# Allegro board GPS_INTERFACE_BOARDv34_test.brd (continued)
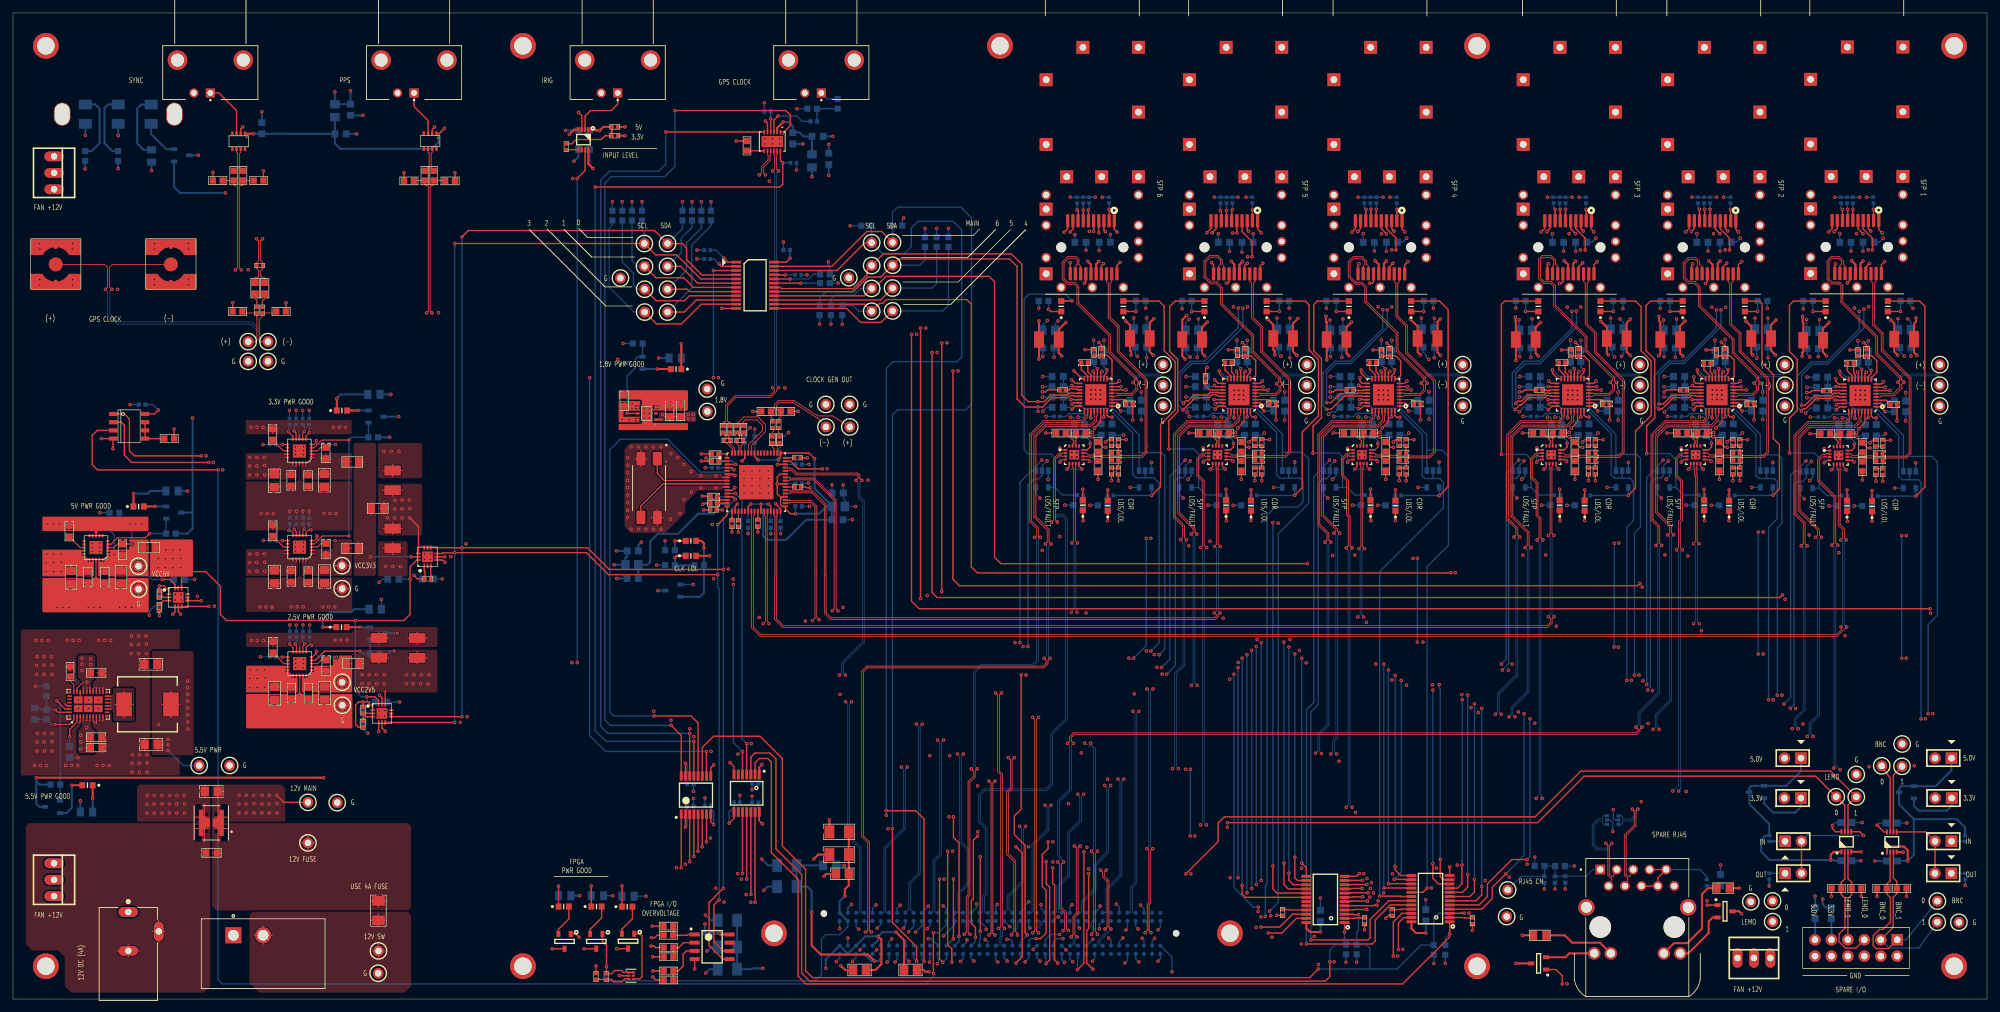
[diagram p0: board, top side]
## Routing (per net, layer and track width the routed paths; a pad name or vN(x,y) marks a point on that pad's centre or on a via; arc(x,y) is an arc through that point) (continued)
VCC2V5: length 112.8
  TOP w0.17: R120.1 v1(285.55,80.21) ; R162.1 v1(241.17,80.31) ; 55.07,52.76 C82.1 ; C82.1 56.52,53.7 ; C82.1 57.96,52.76 ; C82.1 56.52,51.82 ; R214.1 v1(181.56,87.48) ; v1(210.74,85.88) 210.74,85.32 210.31,84.89 210.1,84.89 210.09,84.87 U34.12 ; C81.1 63.86,52.73 ; C81.1 62.41,51.79 ; C81.1 62.41,53.67 ; C81.1 60.96,52.73 ; v1(264.67,85.27) 264.3,85.27 R140.1 ; R183.1 v1(211.96,80.31) ; R141.1 v1(263.47,80.31) ; R119.1 286.37,85.17 v1(286.74,85.17) ; v1(190.86,85.27) 190.49,85.27 R203.1 ; R58.2 53.4,52.75 ; R58.2 53.4,50.99 ; R58.2 54.13,51.87 ; v1(213.16,85.27) 212.79,85.27 R182.1 ; R151.1 v1(255.37,87.48) ; R193.1 v1(203.86,87.48) ; R225.1 v1(167.54,80.31) ; R224.1 168.36,85.27 v1(168.73,85.27) ; v1(242.37,85.27) 242,85.27 R161.1 ; R130.1 v1(277.44,87.38) ; R172.1 v1(233.07,87.48) ; R235.1 v1(159.44,87.48) ; R204.1 v1(189.66,80.31)
  TOP w0.203: U22.12 283.68,84.77 283.69,84.79 283.9,84.79 284.33,85.22 v1(284.33,85.78) ; v1(115.72,27.08) 115.24,27.56 115.24,27.92 115.23,27.92 U17.14 ; U42.12 165.67,84.87 165.68,84.89 165.89,84.89 166.32,85.32 v1(166.32,85.88) ; 57.48,47.62 57.47,47.62 U13.10 ; U30.12 239.3,84.87 239.31,84.89 239.52,84.89 239.95,85.32 v1(239.95,85.88) ; v1(280.91,26.84) 280.91,26.36 281.41,25.86 U50.8 ; U18.2 103.84,27.62 v1(103.84,26.59) ; U38.12 187.79,84.87 187.8,84.89 188.01,84.89 188.44,85.32 v1(188.44,85.88) ; U26.12 261.6,84.87 261.62,84.89 261.82,84.89 262.25,85.32 v1(262.25,85.88) ; v1(287.83,26.87) 288.87,25.83 U51.8
  TOP w0.305: v1(89.58,128.37) 88.84,129.11 U47.8
  BOTTOM w0.17: R116.2 v1(234.96,21.95)
  BOTTOM w0.203: C111.1 115.1,27.7 v1(115.72,27.08) ; C230.1 C231.1 187.62,87.1 188.44,86.27 v1(188.44,85.88) ; C119.1 281.36,27.28 v1(280.91,26.84) ; C207.1 C208.1 209.92,87.1 210.74,86.27 v1(210.74,85.88) ; v1(166.32,85.88) 166.32,86.27 165.5,87.1 C254.1 C253.1 ; v1(284.33,85.78) 284.33,86.17 283.5,86.99 C139.1 C138.1 ; C115.1 288.16,27.2 v1(287.83,26.87) ; C184.1 C185.1 239.13,87.1 239.95,86.27 v1(239.95,85.88) ; v1(247.09,29.29) 247.09,27.94 247.37,27.66 U5.5 ; v1(262.25,85.88) 262.25,86.27 261.43,87.1 C162.1 C161.1 ; C110.2 104.07,26.83 v1(103.84,26.59) ; R82.2 v1(106.84,31.07)
  BOTTOM w0.305: C6.1 89.03,128.92 v1(89.58,128.37) ; Q9.1 24.88,125.48 25.78,124.59 v1(32.82,124.59)
  vias: v1(53.9,50.14) v1(53.9,48.74) v1(54.99,50.11) v1(54.99,48.74) v1(56.11,50.14) v1(56.13,48.74) v1(57.33,50.14) v1(57.33,48.74) v1(60.76,50.14) v1(60.76,48.74) v1(61.8,48.74) v1(61.93,50.14) v1(62.94,48.74) v1(63.07,50.14) v1(64.11,48.72) v1(64.24,50.14)
VCC3V3: length 558.7
  TOP w0.165: C66.1 58.62,73.66 ; C66.1 58.62,71.78 ; C66.1 60.07,72.72 ; C66.1 57.17,72.72 ; 56.53,75.82 R53.2 ; R53.2 57.99,75.82 ; R53.2 57.26,76.7 ; R53.2 57.26,74.94 ; C67.1 60.07,78.64 ; C67.1 58.62,77.7 ; C67.1 57.17,78.64 ; U39.31 v1(190.56,89.97) ; R164.1 v1(244.32,80.11) ; 95.99,89.55 U4.6 ; U4.6 96.47,89.2 ; U4.6 96.47,89.9 ; U39.32 191.06,90.23 191.34,89.94 v1(191.82,89.94) ; C274.1 95.11,91.59 ; C274.1 94.39,92.29 ; C274.1 93.67,91.59 ; 95.99,91.45 U4.4 ; U4.4 96.47,91.1 ; U4.4 96.47,91.8 ; U35.1 214.7,91.65 v1(215.47,90.88) ; U35.2 214.92,92.15 215.29,91.78 v1(215.29,91.74) ; R184.1 v1(216.31,86.45) ; R24.1 122.38,79.15 122.51,79.02 v1(123.11,79.02) ; R122.1 v1(288.7,80.01) ; R142.1 v1(267.82,86.45) ; R205.1 v1(194.01,86.45) ; R185.1 v1(215.11,80.11) ; R163.1 v1(245.52,86.45) ; R121.1 v1(289.9,86.35) ; R143.1 v1(266.62,80.11) ; R226.1 v1(171.89,86.45) ; R206.1 v1(192.81,80.11) ; R227.1 v1(170.69,80.11)
  TOP w0.203: U31.1 243.91,91.65 v1(244.68,90.88) ; v1(98.58,9.47) 99.07,9.47 99.45,9.86 R77.2 ; R76.2 v1(98.78,6.53) ; D38.2 v1(169.04,78.69) ; D18.2 v1(287.05,78.59) ; U27.1 266.21,91.65 v1(266.98,90.88) ; U31.12 241.07,96.46 241.07,96.46 v1(241.07,97.41) ; U39.10 190.56,96.33 191.01,96.78 v1(191.01,97.26) ; U35.12 211.86,96.46 211.86,96.46 v1(211.86,97.41) ; U23.2 288.5,92.04 288.87,91.67 v1(288.87,91.64) ; U43.12 167.43,96.46 167.44,96.46 v1(167.44,97.41) ; v1(207.8,94.87) 208.03,94.64 208.35,94.64 208.36,94.65 U35.18 ; U17.1 115.23,35.68 115.24,35.69 115.24,35.84 v1(115.65,36.25) ; U27.10 264.37,96.33 264.82,96.78 v1(264.82,97.26) ; v1(242.52,97.26) 242.52,96.78 242.07,96.33 U31.10 ; U27.2 266.43,92.15 266.8,91.78 v1(266.8,91.74) ; Q8.3 v1(83.26,7.77) ; v1(207.75,91.24) 208.09,91.24 208.5,91.65 U35.24 ; U10.10 62.61,73.03 v1(61.26,74.37) ; U23.32 286.94,90.08 287.21,89.81 v1(287.71,89.81) ; v1(213.31,97.26) 213.31,96.78 212.86,96.33 U35.10 ; U39.24 186.2,91.65 186.2,91.64 186.13,91.64 v1(185.65,91.16) ; U23.10 286.44,96.23 286.89,96.68 v1(286.89,97.16) ; U31.32 242.57,90.24 242.84,89.97 v1(243.33,89.97) ; U27.31 264.37,90.06 v1(264.42,90.02) ; U39.18 186.05,94.65 186.05,94.64 185.72,94.64 v1(185.52,94.84) ; U39.2 192.62,92.15 192.99,91.78 v1(192.99,91.74) ; U19.24 119.4,113.89 v1(119.99,114.48) ; D32.2 v1(187.3,78.79) ; D16.2 v1(283.18,78.69) ; U31.2 244.13,92.15 244.5,91.78 v1(244.5,91.74) ; U27.24 260.01,91.65 260.01,91.64 259.94,91.64 259.52,91.22 v1(259.52,91.1) ; v1(214.12,89.92) 213.63,89.92 213.36,90.19 U35.32 ; v1(237.08,94.64) 237.56,94.64 237.57,94.65 U31.18 ; U23.31 v1(286.44,89.84) ; U27.18 259.87,94.65 259.86,94.64 259.54,94.64 v1(259.33,94.84) ; D30.2 v1(213.46,78.69) ; U43.10 168.43,96.33 168.88,96.78 v1(168.88,97.26) ; U23.1 288.29,91.54 v1(289.05,90.78) ; D26.2 v1(242.67,78.69) ; v1(281.53,91.06) 282.02,91.54 282.08,91.54 282.08,91.54 U23.24 ; D34.2 v1(191.16,78.69) ; D28.2 v1(209.6,78.79) ; v1(265.63,89.97) 265.14,89.97 264.87,90.24 U27.32 ; U39.1 192.4,91.65 v1(193.17,90.88) ; U35.31 v1(212.86,89.99) ; D36.2 v1(165.18,78.79) ; U43.2 170.5,92.15 170.87,91.78 v1(170.87,91.74) ; v1(163.5,94.82) 163.66,94.66 164.37,94.66 164.38,94.65 U43.18 ; U18.15 103.84,35.43 v1(103.84,36.45) ; U23.18 282.07,94.54 281.95,94.67 v1(281.46,94.67) ; v1(163.53,91.16) 164.01,91.64 164.07,91.64 164.07,91.65 U43.24 ; U27.12 263.37,96.46 263.37,96.46 v1(263.37,97.41) ; v1(22.45,91.03) 21.84,90.42 U46.8 ; U43.31 v1(168.43,89.97) ; U43.32 168.93,90.21 169.2,89.94 v1(169.7,89.94) ; R75.2 99.26,2.95 v1(98.81,3.4) ; D20.2 v1(261.11,78.79) ; D24.2 v1(238.81,78.79) ; v1(237.06,91.06) 237.64,91.64 237.71,91.64 237.71,91.65 U31.24 ; v1(285.45,97.31) 285.45,96.36 285.44,96.35 U23.12 ; D22.2 v1(264.97,78.69) ; Q12.3 v1(93.19,7.79) ; U39.12 189.56,96.46 189.56,96.46 v1(189.56,97.41) ; R247.2 v1(195.12,12.94) ; v1(171.04,90.88) 170.28,91.65 U43.1 ; U31.31 v1(242.07,89.99) ; Q11.3 v1(88.16,7.77)
  TOP w0.305: v1(254.15,105.49) 254.15,104.84 254.36,104.63 L9.1 254.36,99.69 v1(254.08,99.42) ; v1(220.42,99.47) 219.94,99.95 L14.1 219.94,104.67 v1(220.37,105.11) ; v1(176.15,105.16) 175.51,104.52 L18.1 175.51,100.05 v1(176.07,99.49) ; U53.24 215.92,10.9 216.61,10.21 v1(218.14,10.21) ; Q10.3 v1(232.05,5.51) ; U52.24 199.69,10.95 200.28,10.36 v1(201.88,10.36) ; v1(3.61,34.21) 47.41,34.21 47.42,34.2 v1(47.97,34.2) ; v1(198.25,99.47) 197.64,100.08 L16.1 197.64,104.42 v1(198.4,105.18) ; v1(293.95,99.49) 293.52,99.92 L8.1 293.52,104.37 293.83,104.67 v1(293.83,105.26) ; v1(266.9,13.18) 266.52,13.56 Q14.3 ; v1(181,98.91) 180.54,99.36 L15.1 180.54,104.99 v1(181.2,105.64) ; v1(276.33,105.51) 276.33,104.68 276.43,104.58 L7.1 276.43,100.06 276.25,99.89 v1(276.25,99.34) ; v1(158.42,98.91) L17.1 v1(158.42,104.8) ; v1(202.72,105.51) 202.72,104.73 202.84,104.61 L13.1 v1(202.84,98.78) ; v1(249.73,99.44) 249.15,100.03 L12.1 249.15,104.5 v1(249.73,105.08) ; D1.2 v1(107.54,68.5) ; v1(231.97,105.41) 231.97,104.74 232.05,104.66 L11.1 v1(232.05,98.7) ; R266.2 v1(94.49,133.43) ; v1(109.09,10.13) 109.25,9.98 U49.8 ; v1(272.14,99.54) 271.45,100.23 L10.1 271.45,104.19 v1(272.21,104.95)
  PWR1 w0.165: J25.2 297.74,31.06 ; J25.2 296.8,32 ; J25.2 295.86,31.06 ; J25.2 296.8,30.12 ; P1.9 280.77,10.11 ; P1.9 280.77,8.23 ; P1.9 281.71,9.17 ; P1.9 279.83,9.17 ; 273.51,30.12 J9.2 ; J9.2 272.57,31.06 ; J9.2 274.45,31.06 ; J9.2 273.51,32
  BOTTOM w0.165: v1(215.29,91.74) 216.08,92.53 C220.1 ; C240.1 v1(191.82,89.94) ; C237.2 190.21,88.94 190.21,89.62 v1(190.56,89.97) ; v1(215.47,90.88) C215.2
  BOTTOM w0.203: v1(285.13,123.92) R127.1 R129.1 R125.1 v1(281.29,123.92) ; C113.1 119.96,115.01 119.99,114.97 v1(119.99,114.48) ; v1(242.07,89.99) 241.66,89.58 C191.2 ; v1(189.12,123.92) R211.1 R213.1 R209.1 v1(185.5,123.92) ; v1(263.06,123.92) R148.1 R150.1 R146.1 v1(259.21,123.92) ; R91.1 v1(129.26,119.51) ; v1(207.8,94.87) 207.57,94.64 C219.1 C213.2 ; C179.1 248.67,99.65 v1(248.36,99.34) ; v1(181.76,99.21) 181.13,99.85 C224.1 ; U45.5 v1(172.52,79.07) ; R100.2 v1(124.54,104.32) ; C263.1 171.65,92.53 v1(170.87,91.74) ; R124.1 v1(286.19,123.92) ; v1(137.52,120.7) 137.3,120.49 R92.1 ; C202.1 v1(203.43,99.29) ; U41.5 v1(194.64,79.07) ; v1(103.84,36.45) 104.07,36.21 C112.1 ; C266.1 166.85,97.99 v1(167.44,97.41) ; v1(242.52,97.26) 242.09,97.69 C188.2 ; U29.5 v1(268.45,79.07) ; v1(241.82,123.92) R166.1 ; C217.1 v1(214.12,89.92) ; R38.2 v1(94.21,101.32) ; C189.2 C194.1 v1(237.08,94.64) ; C151.1 289.66,92.43 v1(288.87,91.64) ; C238.2 C239.1 185.37,91.44 v1(185.65,91.16) ; C212.2 C216.1 207.54,91.44 v1(207.75,91.24) ; R90.1 v1(97.13,123.24) ; v1(211.86,97.41) 211.28,97.99 C218.1 ; C178.1 v1(232.64,99.29) ; C197.1 245.29,92.53 v1(244.5,91.74) ; R83.1 v1(107.77,123.24) ; C211.2 212.45,89.61 212.7,89.87 212.73,89.87 v1(212.86,89.99) ; C241.1 193.78,92.53 v1(192.99,91.74) ; C234.2 C243.1 185.32,94.64 v1(185.52,94.84) ; v1(180.7,77.42) 180.07,78.04 U40.5 ; R246.2 v1(207.47,5.69) ; R245.2 v1(219.38,5.49) ; v1(163.25,123.92) R230.1 R234.1 R232.1 v1(167.11,123.92) ; C247.1 v1(159,99.29) ; v1(264.42,90.02) 263.96,89.56 C165.2 ; R88.1 v1(95.58,123.24) ; v1(240.76,123.92) R169.1 R171.1 R167.1 v1(236.91,123.92) ; U28.5 253.89,78.04 v1(254.51,77.42) ; v1(168.88,97.26) 168.45,97.69 C261.2 ; v1(285.45,97.31) 284.86,97.89 C149.1 ; v1(286.44,89.84) 286.04,89.44 286.04,88.79 C142.2 ; C166.2 264.39,97.69 v1(264.82,97.26) ; C242.1 188.98,97.99 v1(189.56,97.41) ; C173.1 v1(265.63,89.97) ; C144.2 C147.1 281.33,94.54 v1(281.46,94.67) ; v1(93.37,98.86) 93.9,98.32 Q7.3 ; R84.1 v1(92.56,123.24) ; R229.1 v1(168.18,123.92) ; R145.1 v1(264.12,123.92) ; v1(263.37,97.41) 262.79,97.99 C170.1 ; C248.1 v1(175.03,99.11) ; C258.2 168.02,89.56 v1(168.43,89.97) ; U37.5 v1(216.94,79.07) ; R251.2 v1(221.16,5.51) ; C109.2 115.1,35.7 v1(115.65,36.25) ; v1(22.45,91.03) 21.62,91.87 C272.2 ; U25.5 v1(290.53,78.97) ; U36.5 202.37,78.04 v1(203,77.42) ; C264.1 v1(169.7,89.94) ; v1(276.58,77.32) 275.96,77.94 U24.5 ; R102.2 126.12,113.23 125.91,113.45 v1(125.91,113.94) ; R87.1 v1(104.85,123.24) ; R103.2 v1(127.43,110.64) ; v1(213.31,97.26) 212.88,97.69 C214.2 ; C193.1 240.49,97.99 v1(241.07,97.41) ; C156.1 v1(270.97,99.11) ; R99.2 v1(142.62,119.1) ; v1(158.57,77.42) 157.95,78.04 U44.5 ; C235.2 190.58,97.69 v1(191.01,97.26) ; C196.1 v1(243.33,89.97) ; v1(128.2,79.45) C22.1 128.2,77.42 128.43,77.19 L5.1 v1(130.1,76.12) ; v1(244.68,90.88) C192.2 ; v1(171.04,90.88) C259.2 ; v1(211.55,123.92) R190.1 R192.1 R188.1 v1(207.7,123.92) ; C225.1 v1(197.16,99.11) ; R101.2 v1(140.82,119.1) ; C172.1 267.59,92.53 v1(266.8,91.74) ; C190.2 C195.1 236.68,91.44 v1(237.06,91.06) ; C132.1 v1(293.04,99.37) ; R252.2 v1(205.82,5.69) ; v1(277.42,99.26) 277.01,99.67 C133.1 ; R97.2 v1(144.45,119.1) ; v1(163.53,91.16) 163.25,91.44 C265.1 C260.2 ; R98.2 v1(126.29,104.32) ; C257.2 C262.1 163.32,94.64 v1(163.5,94.82) ; U32.5 231.58,78.04 v1(232.21,77.42) ; R96.2 v1(128.04,104.27) ; v1(281.53,91.06) 281.25,91.34 C150.1 C146.2 ; R187.1 v1(212.61,123.92) ; v1(266.98,90.88) C167.2 ; C168.2 C171.1 259.18,91.44 v1(259.52,91.1) ; v1(259.33,94.84) 259.13,94.64 C174.1 C169.2 ; U33.5 v1(246.15,79.07) ; C201.1 v1(219.46,99.11) ; R81.2 v1(112.24,31.48) ; C155.1 v1(254.94,99.29) ; R208.1 v1(190.38,123.92) ; v1(286.89,97.16) 286.46,97.59 C145.2 ; C148.1 v1(287.71,89.81) ; v1(193.17,90.88) C236.2 ; v1(289.05,90.78) C143.2 ; R86.1 v1(94.08,123.24) ; R85.1 v1(106.3,123.24) ; R89.1 v1(103.38,123.24)
  BOTTOM w0.305: L1.1 v1(123.37,127.1) ; R56.2 v1(58.17,86.82) ; 3.61,33.67 3.61,30.2 4.12,29.69 Q3.3 ; 3.61,33.67 v1(3.61,34.21) ; 3.61,33.67 4.13,33.15 R40.2 ; C270.2 v1(218.14,10.21) ; v1(109.09,10.13) C108.1 ; Q4.3 27.74,75.18 ; 27.74,75.18 v1(27.74,89.81) ; 27.74,75.18 27.74,72.72 26.95,71.93 R50.2 ; C7.1 v1(125.96,127.3) ; v1(58.88,53.77) 58.24,53.77 57.84,53.37 R61.2 ; Q9.3 v1(28.63,130.4) ; v1(93.17,69.27) C13.1 94.84,68.42 94.55,68.14 L3.1 v1(92.81,67.11) ; C117.1 P1.9 ; Q1.3 v1(99.59,63.12) ; Q5.3 v1(59.56,90.02) ; C271.2 v1(201.88,10.36) ; D10.2 v1(16.26,133.45) ; Q6.3 v1(59.36,56.52)
  vias: v1(57.84,74.37) v1(58.93,75.74) v1(58.93,74.37) v1(58.98,77.09) v1(60.05,75.77) v1(60.07,77.09) v1(60.07,74.37) v1(61.21,77.09) v1(61.26,75.82) v1(94.08,89.59) v1(95.17,89.56) v1(95.61,92.02) v1(95.58,91.29)
VCC3V3_LFILT: length 10.7
  TOP w0.305: U1.2 118,134.62 v1(118.91,135.53)
  BOTTOM w0.305: L1.2 123.37,131.47 123.37,131.47 C9.1 122.05,133.32 121.44,133.93 120.45,133.93 C8.1 120.4,134.92 119.79,135.53 v1(118.91,135.53)
VCC5V: length 96.7
  TOP w0.165: 21.96,68.9 R45.2 ; R45.2 22.68,69.77 ; R45.2 21.96,70.65
  TOP w0.203: U8.10 26.03,65.55 26.04,65.56 ; U13.12 56.47,46.13 55.89,46.71 v1(54.61,46.71) ; 27.58,66.07 29.77,66.07 32.03,63.8 32.03,59.44 32.97,58.5 v1(52.86,58.5) 60.35,58.5 61.32,59.46 v1(61.32,64.9) 61.32,66.79 62.38,67.85 U10.12
  TOP w0.305: R265.1 v1(94.54,134.8)
  PWR2 w0.165: J10.2 274.47,37.24 ; J10.2 272.59,37.24 ; J10.2 273.53,38.18 ; J10.2 273.53,36.3 ; J24.2 297.71,37.24 ; J24.2 295.83,37.24 ; J24.2 296.77,36.3 ; J24.2 296.77,38.18 ; P1.11 279.17,9.17 ; P1.11 278.23,8.23 ; P1.11 277.29,9.17 ; P1.11 278.23,10.11
  BOTTOM w0.203: v1(52.86,58.5) 52.86,47.65 53.8,46.71 v1(54.61,46.71) 54.61,46.22 54.93,45.9 C84.2 ; C69.2 v1(61.32,64.9)
  BOTTOM w0.305: P1.11 278.23,10.34 278.26,10.36 C116.1 ; v1(49.71,140.21) L2.1 51.28,138.29 51.3,138.3 C10.2 v1(52.12,140.39) ; D12.2 v1(11.18,133.48)
  vias: v1(22.45,68.07) v1(22.45,66.67) v1(23.55,68.05) v1(23.55,66.67) v1(23.6,69.39) v1(24.69,69.39) v1(24.66,68.07) v1(24.69,66.67) v1(25.83,69.39) v1(25.88,68.12) v1(25.88,66.67)
VCC5V_LFILT: length 38.8
  TOP w0.203: U2.1 65.82,133.76 v1(66.62,134.57)
  TOP w0.305: v1(37.11,133.73) 36.3,133.73 36.29,133.74 U3.1
  BOTTOM w0.305: C12.2 43.21,133.71 43.18,133.73 39.25,133.73 39.25,133.73 C11.2 v1(37.11,133.73) ; C12.2 49.71,134.53 49.71,134.53 L2.2 ; C12.2 49.71,132.23 50.55,131.39 64.69,131.39 65.68,132.38 65.68,133.63 v1(66.62,134.57)
VCCR_SFP INTERFACE_SFP1: length 11.1
  TOP w0.305: v1(280.42,104.57) 279.48,103.63 L7.2 279.48,99.95 v1(280.01,99.42) ; J13.15 284.48,113.51 v1(283.9,114.1)
  BOTTOM w0.203: C135.2 v1(283.8,115.6) ; C134.2 v1(278.93,104.99)
VCCR_SFP INTERFACE_SFP2: length 11.3
  TOP w0.305: v1(261.82,114.1) 262.41,113.51 J14.15 ; v1(258.17,104.78) 257.4,104.01 L9.2 257.4,99.8 v1(257.84,99.36)
  BOTTOM w0.203: C158.2 v1(261.72,115.6) ; C157.2 v1(256.85,105.11)
VCCR_SFP INTERFACE_SFP3: length 11
  TOP w0.305: v1(235.86,104.57) 235.1,103.81 L11.2 235.1,99.82 v1(235.51,99.42) ; v1(239.52,114.1) 240.11,113.51 J18.15
  BOTTOM w0.203: C181.2 v1(239.42,115.6) ; C180.2 v1(234.55,105.11)
VCCR_SFP INTERFACE_SFP4: length 11.1
  TOP w0.305: v1(210.31,114.1) 210.87,113.53 J19.15 ; v1(206.3,99.42) 205.89,99.82 L13.2 205.89,103.84 v1(206.68,104.62)
  BOTTOM w0.203: C204.2 v1(210.21,115.6) ; C203.2 v1(205.34,105.11)
VCCR_SFP INTERFACE_SFP5: length 11
  TOP w0.305: v1(184.4,104.62) 183.59,103.81 L15.2 183.59,99.82 v1(184,99.42) ; v1(188.11,114.02) 188.57,113.56 J20.15
  BOTTOM w0.203: C226.2 v1(183.04,105.11) ; C227.2 v1(187.83,115.57)
VCCR_SFP INTERFACE_SFP6: length 10.8
  TOP w0.305: v1(161.93,99.39) 161.47,99.85 L17.2 161.47,103.48 v1(162.56,104.57) ; J21.15 166.45,113.51 v1(165.94,114.02)
  BOTTOM w0.203: v1(161.37,104.8) 160.92,104.35 C249.2 ; C250.2 v1(165.69,115.72)
VCCT_SFP INTERFACE_SFP1: length 11.1
  TOP w0.305: v1(291.01,99.52) 290.47,100.05 L8.2 290.47,104.42 v1(289.94,104.95) ; J13.16 285.28,113.68 v1(285.65,114.05)
  BOTTOM w0.203: v1(285.65,115.57) 285.65,116.22 285.65,116.22 C136.2 ; C137.2 v1(291.05,105.14)
VCCT_SFP INTERFACE_SFP2: length 10.9
  TOP w0.305: J14.16 263.21,113.68 v1(263.58,114.05) ; v1(268.63,99.54) 268.4,99.77 L10.2 268.4,103.94 v1(267.56,104.78)
  BOTTOM w0.203: C159.2 263.57,116.22 263.58,116.22 v1(263.58,115.57) ; C160.2 v1(268.98,105.24)
VCCT_SFP INTERFACE_SFP3: length 10.9
  TOP w0.305: v1(246.33,99.57) 246.1,99.8 L12.2 246.1,103.81 v1(245.19,104.72) ; v1(241.27,114.05) 240.91,113.68 J18.16
  BOTTOM w0.203: v1(241.27,115.57) 241.27,116.22 241.27,116.22 C182.2 ; C183.2 v1(246.68,105.24)
VCCT_SFP INTERFACE_SFP4: length 11.4
  TOP w0.305: J19.16 211.67,113.66 v1(212.06,114.05) ; v1(217.32,99.54) 216.89,99.97 L14.2 216.89,103.94 v1(215.77,105.05)
  BOTTOM w0.203: v1(212.06,115.57) 212.06,116.22 212.06,116.22 C205.2 ; C206.2 v1(217.47,105.24)
VCCT_SFP INTERFACE_SFP5: length 11.2
  TOP w0.305: v1(189.84,113.97) 189.37,113.5 J20.16 ; v1(194.82,99.57) 194.82,100.11 194.59,100.34 L16.2 194.59,104.22 v1(193.75,105.05)
  BOTTOM w0.203: C228.2 v1(189.76,115.42) ; C229.2 v1(195.16,105.24)
VCCT_SFP INTERFACE_SFP6: length 10.7
  TOP w0.305: v1(167.67,114) 167.25,113.58 J21.16 ; v1(171.81,104.8) 172.47,104.14 L18.2 172.47,100.36 172.49,100.33 172.49,100.22 172.64,100.06 v1(172.64,99.52)
  BOTTOM w0.203: C251.2 v1(167.71,115.7) ; C252.2 v1(173.04,105.24)
VDD_FILT: length 22.2
  TOP w0.165: v1(117.75,76.56) 118.5,75.81 118.5,75.39 U48.32 ; 102.35,90.04 C275.1 ; C275.1 103.07,89.34 ; C275.1 103.79,90.04 ; 100.68,90.04 C21.1 ; C21.1 101.4,89.34 ; C21.1 102.12,90.04
  TOP w0.203: U48.60 113.01,83.59 v1(112.56,83.15) ; U48.46 118.54,82.63 118.53,82.63 v1(118.03,82.63)
  TOP w0.305: 100.24,89.55 U4.1
  PWR2 w0.165: TP88.1 107.21,91.81 ; TP88.1 107.21,89.8 ; TP88.1 108.22,90.81 ; TP88.1 106.21,90.81
  BOTTOM w0.165: C19.2 118.52,75.79 v1(117.75,76.56) ; v1(112.56,83.15) 113,83.59 C20.2 ; C18.2 v1(118.03,82.63)
  vias: v1(100.3,90.35) v1(104.27,90.35) v1(104.27,89.66) v1(105.03,90.35) v1(105.03,89.66)
VDD_PG: length 13.9
  TOP w0.203: U4.5 v1(94.82,90.5)
  BOTTOM w0.203: R38.1 97.22,100.62 97.21,100.61 Q7.1 96.5,99.27 96.11,98.88 96.11,97.56 94.82,96.27 v1(94.82,90.5)
VDDA_FILT: length 28
  TOP w0.203: v1(111.53,77.24) 111.14,77.63 U48.13
  BOTTOM w0.203: C14.2 110.74,76.45 v1(111.53,77.24) 111.15,77.62 C15.2
  BOTTOM w0.305: C16.1 96.55,66.07 96.55,66.08 L3.2 97.92,67.11 98.4,67.59 98.4,70.74 99.57,71.91 102.69,71.91 105.79,75.01 108.15,75.01 108.75,75.61 C14.2
VDDO_FILT: length 77.8
  TOP w0.165: 118.01,79.15 118.01,79.16
  TOP w0.203: U48.43 118.45,81.13 118.01,80.7 v1(118.01,79.63) ; 118.01,79.15 118.01,78.11 118.48,77.63 118.86,77.63 ; U48.29 117.01,76.16 v1(116.66,76.5) ; v1(118.19,83.34) 118.51,83.66 U48.49 122.91,84.38 v1(123.77,83.52) ; U48.36 118.86,77.63 ; 118.86,77.63 118.77,77.54 118.75,77.54 118.6,77.39 118.6,77.37 118.52,77.29 118.52,76.38 118.76,76.13 U48.33 119.26,75.77 120.02,75.01 v1(120.81,75.01) ; v1(113.92,76.5) 113.51,76.09 U48.22 ; U48.57 114.51,83.88 v1(115.06,83.32) ; 118.01,79.16 v1(118.01,79.63) ; v1(118.01,79.63) U48.40 ; v1(115.49,76.49) 115.49,76.02 115.51,76 U48.26
  BOTTOM w0.165: v1(116.66,76.5) 117.02,76.15 C25.2 ; C24.2 v1(120.81,75.01) ; C26.2 118.51,79.65 118.49,79.63 v1(118.01,79.63) ; C27.2 113.51,76.1 v1(113.92,76.5) 113.98,76.5 114,76.49 ; 126.43,75.16 126.44,75.16 ; v1(118.19,83.34) 118.19,84.99 118.44,85.24 C23.2 ; C28.2 114.53,83.86 v1(115.06,83.32) ; 126.43,76.22 L5.2
  BOTTOM w0.203: v1(116.66,76.5) 116.17,76.5 116.15,76.49 v1(115.49,76.49) 114,76.49 ; v1(115.06,83.32) 117.7,83.32 117.71,83.34 v1(118.19,83.34)
  BOTTOM w0.305: 126.44,75.16 C29.1 122.48,74.07 119.38,70.97 116.43,70.97 115.82,71.58 115.82,75.62 115.49,75.95 v1(115.49,76.49) ; v1(120.81,75.01) 124.45,75.01 125.57,76.12 L5.2 126.43,75.16 ; 126.43,76.22 123.77,78.88 v1(123.77,83.52)
A0_1: length 3
  TOP w0.203: U53.21 214.4,13.89 214.34,13.84 R248.1
A0_2: length 3.7
  TOP w0.203: R247.1 197.09,13.84 197.15,13.77 U52.21
A0_2V5: length 1.5
  TOP w0.203: U13.2 54.64,44.15 54.58,44.2 R59.2
A0_3V3: length 2
  TOP w0.203: R55.2 64.51,65.48 64.51,65.48 U10.3
A0_5V: length 1.5
  TOP w0.203: U8.2 23.19,62.08 23.13,62.14 R48.2
A0_BID: length 4.8
  TOP w0.203: R73.2 R77.1 104.12,9.86 104.25,9.98 U49.1
A1_1: length 3.5
  TOP w0.203: R249.1 224.16,12.54 224.11,12.59 U53.2
A1_2: length 3.1
  TOP w0.203: R250.1 207.96,12.54 207.95,12.53 207.12,12.53 207.06,12.47 U52.2
A1_2V5: length 2.1
  TOP w0.203: R60.2 54.05,43.45 54.24,43.64 54.64,43.64 54.65,43.65 U13.3
A1_5V: length 1.8
  TOP w0.203: R49.2 22.63,60.98 23.23,61.58 U8.3
A1_BID: length 5
  TOP w0.203: R76.1 R72.2 102.79,7.95 103.56,8.71 U49.2
A2_BID: length 7
  TOP w0.203: U49.3 103.99,7.44 103.48,6.93 103.48,5.11 102.72,4.34 R71.2 R75.1
BNC_DIR: length 11.5
  TOP w0.203: U51.5 295.33,25.83 J16.2 296.77,20.57 296.75,20.55 J15.2
BNC_VCCA: length 40.7
  TOP w0.305: v1(292.56,21.36) 292.56,22.99 291.97,23.57 289.6,23.57 289.34,23.32 U51.1
  BOTTOM w0.305: C45.1 291.01,21.36 v1(292.56,21.36) 293.5,22.3 293.5,27.81 ; J24.1 299.31,35.36 296.85,32.89 294.34,32.89 294.33,32.9 Q13.1 291.57,32.9 291.2,32.53 Q13.3 291.2,30.11 293.5,27.81 ; R111.2 301.4,26.54 300.13,27.81 293.5,27.81
CDR_ADDR_SFP INTERFACE_SFP1: length 2.3
  TOP w0.203: U23.19 281,94.04 280.99,94.03 R136.1
CDR_ADDR_SFP INTERFACE_SFP2: length 2.3
  TOP w0.203: U27.19 260.04,94.15 260.03,94.16 R157.1
CDR_ADDR_SFP INTERFACE_SFP3: length 2.3
  TOP w0.203: R178.1 236.78,94.13 236.87,94.04 237.2,94.04 237.31,94.15 U31.19
CDR_ADDR_SFP INTERFACE_SFP4: length 2.3
  TOP w0.203: R199.1 207.4,94.13 207.48,94.06 208.44,94.06 208.53,94.15 U35.19
CDR_ADDR_SFP INTERFACE_SFP5: length 3.7
  TOP w0.203: R220.1 184.12,94.79 184.77,94.15 U39.19
CDR_ADDR_SFP INTERFACE_SFP6: length 2.3
  TOP w0.203: R241.1 163.06,94.16 163.19,94.29 164.19,94.29 164.22,94.26 164.25,94.26 164.37,94.15 U43.19
CLK312_SCOPE_N: length 12.2
  TOP w0.127: R28.2 118.24,89.66 118.55,89.98 R30.1 118.39,91 118.12,91 117.87,91.24 117.87,91.73 118.3,92.16 120.5,92.16 124.16,89.8 124.24,89.8 TP8.1
CLK312_SCOPE_P: length 16.1
  TOP w0.127: R27.2 117.32,89.66 117.03,89.95 R29.1 117.55,91.33 117.55,91.86 118.17,92.48 120.59,92.48 124.25,90.12 124.25,90.12 126.57,90.12 TP5.1
CLK_FDBACK_N: length 3.7
  TOP w0.127: C37.2 112.15,87.19 112.15,86.7 R31.2 111.79,85.83 112.12,85.5 112.12,84.88 112.11,84.88 112.11,84.49 U48.62
CLK_FDBACK_P: length 3.6
  TOP w0.127: U48.61 112.43,84.46 112.43,85.57 112.69,85.83 R31.1 112.47,86.56 112.47,87.18 C36.2
CLK_TO_SFP.CLK_TO_SFP_N0: length 214.2
  TOP w0.127: v2(283.13,57.51) 281.69,56.06 115.35,56.06 114.05,57.36 114.05,74.74 114.01,74.78 U48.23 ; U22.7 282.11,73.33 282.78,72.67 282.78,71.27 v2(283.08,70.97)
  BOTTOM w0.127: v2(283.08,70.97) 282.88,70.97 282.75,70.84 282.75,57.89 v2(283.13,57.51)
CLK_TO_SFP.CLK_TO_SFP_N1: length 188.8
  TOP w0.127: U26.7 260.04,82.24 259.98,82.18 259.98,80.99 260.04,80.93 260.04,70.69 v2(260.35,70.38) ; U48.27 116.01,74.78 116.18,74.6 116.18,58.37 v2(115.82,58.01)
  SIG w0.127: v2(260.38,58.01) 259.99,57.63 259.99,57.24 259.5,56.74 116.97,56.74 116.34,57.37 116.33,57.36 116.29,57.36 115.87,57.77 115.87,57.96 v2(115.82,58.01)
  BOTTOM w0.127: v2(260.35,70.38) 260.27,70.31 260.2,70.31 260.07,70.18 260.07,58.39 260.38,58.09 v2(260.38,58.01)
CLK_TO_SFP.CLK_TO_SFP_N2: length 162.9
  TOP w0.127: U48.30 117.51,74.78 117.65,74.63 117.65,65.48 117.6,65.43 117.6,58.66 118.83,57.43 236.98,57.43 237.64,58.09 237.64,58.8 v2(237.95,59.11) ; v2(237.95,71.65) 237.62,71.98 237.62,82.26 237.74,82.38 U30.7
  BOTTOM w0.127: v2(237.95,59.11) 237.64,59.41 237.64,71.35 v2(237.95,71.65)
CLK_TO_SFP.CLK_TO_SFP_N3: length 132.8
  TOP w0.127: v2(208.69,69.61) 208.41,69.89 208.41,82.12 208.53,82.24 U34.7 ; U48.34 119.86,76.63 119.97,76.74 123.15,76.74 123.83,76.07 123.83,58.88 v2(123.43,58.48)
  SIG w0.127: v2(123.43,58.48) 123.92,58.48 124.26,58.15 124.47,58.15 124.57,58.04 207.68,58.04 208.21,58.57 208.21,58.87 208.4,59.05 v2(208.53,59.05)
  BOTTOM w0.127: v2(208.69,69.61) 208.69,69.61 208.64,69.56 208.41,69.56 208.28,69.43 208.28,59.31 v2(208.53,59.05)
CLK_TO_SFP.CLK_TO_SFP_N4: length 109.3
  TOP w0.127: U38.7 186.23,82.43 186.08,82.29 186.08,70.28 v2(186.41,69.95) ; U48.37 119.86,78.13 119.98,78.24 123.25,78.24 123.37,78.24 125.27,76.34 125.27,59.6 126.22,58.65 185.64,58.65 186.08,59.09 186.08,59.38 v2(186.39,59.69)
  BOTTOM w0.127: v2(186.39,59.69) 186.11,59.97 186.11,69.82 186.23,69.95 v2(186.41,69.95)
CLK_TO_SFP.CLK_TO_SFP_N5: length 87.8
  TOP w0.127: U42.7 164.11,82.24 164.05,82.18 164.05,70.82 v2(164.37,70.49) ; U48.41 119.86,80.13 119.97,80.24 123.6,80.24 126.8,77.05 126.8,60.3 v2(126.5,59.99)
  SIG w0.127: v2(126.5,59.99) 126.71,59.99 127.19,59.52 127.42,59.52 127.65,59.28 163.39,59.28 163.4,59.3 163.61,59.3 163.89,59.58 163.89,59.66 164.01,59.78 v2(164.3,59.78)
  BOTTOM w0.127: v2(164.3,59.78) 164.3,60.02 164.09,60.23 164.09,70.15 164.22,70.28 164.27,70.28 164.37,70.39 v2(164.37,70.49)
CLK_TO_SFP.CLK_TO_SFP_P0: length 213.2